# Altium PCB Main.PcbDoc (part 1 of 3)
Units mm, origin at the board's own origin, x right, y up, seen from the top; angles counter-clockwise.
Board outline 100 x 60 mm, 2 copper layers (Top Layer, Bottom Layer); 313 components, 187 nets, 848 pads, 489 vias.
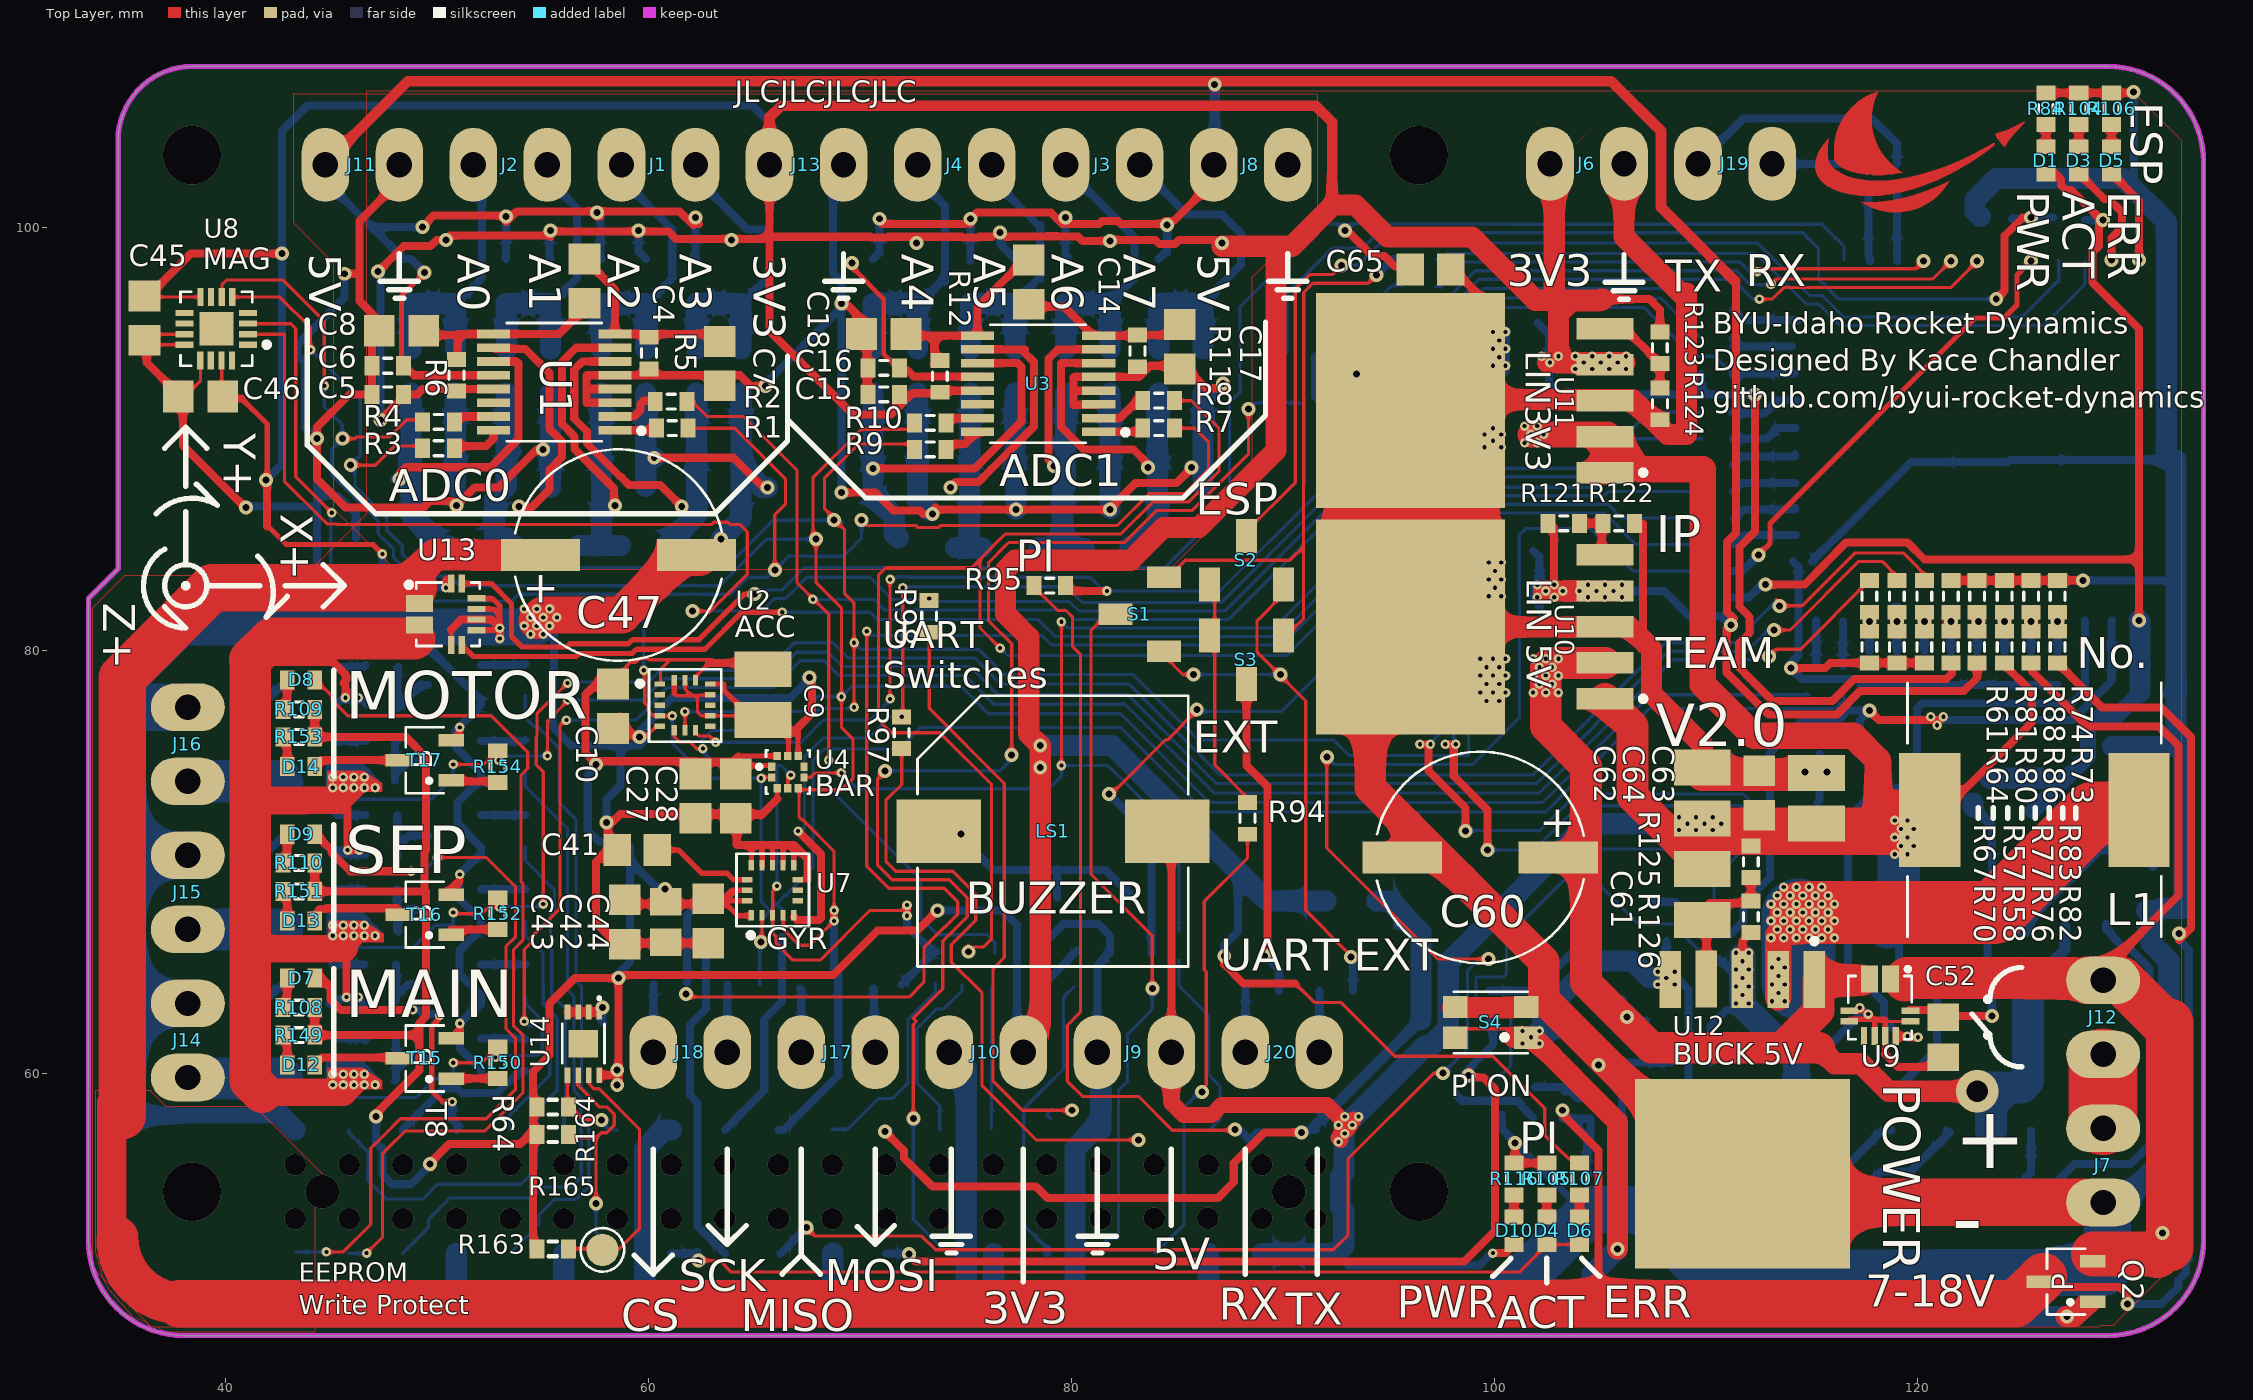
[diagram p0: Top Layer view]
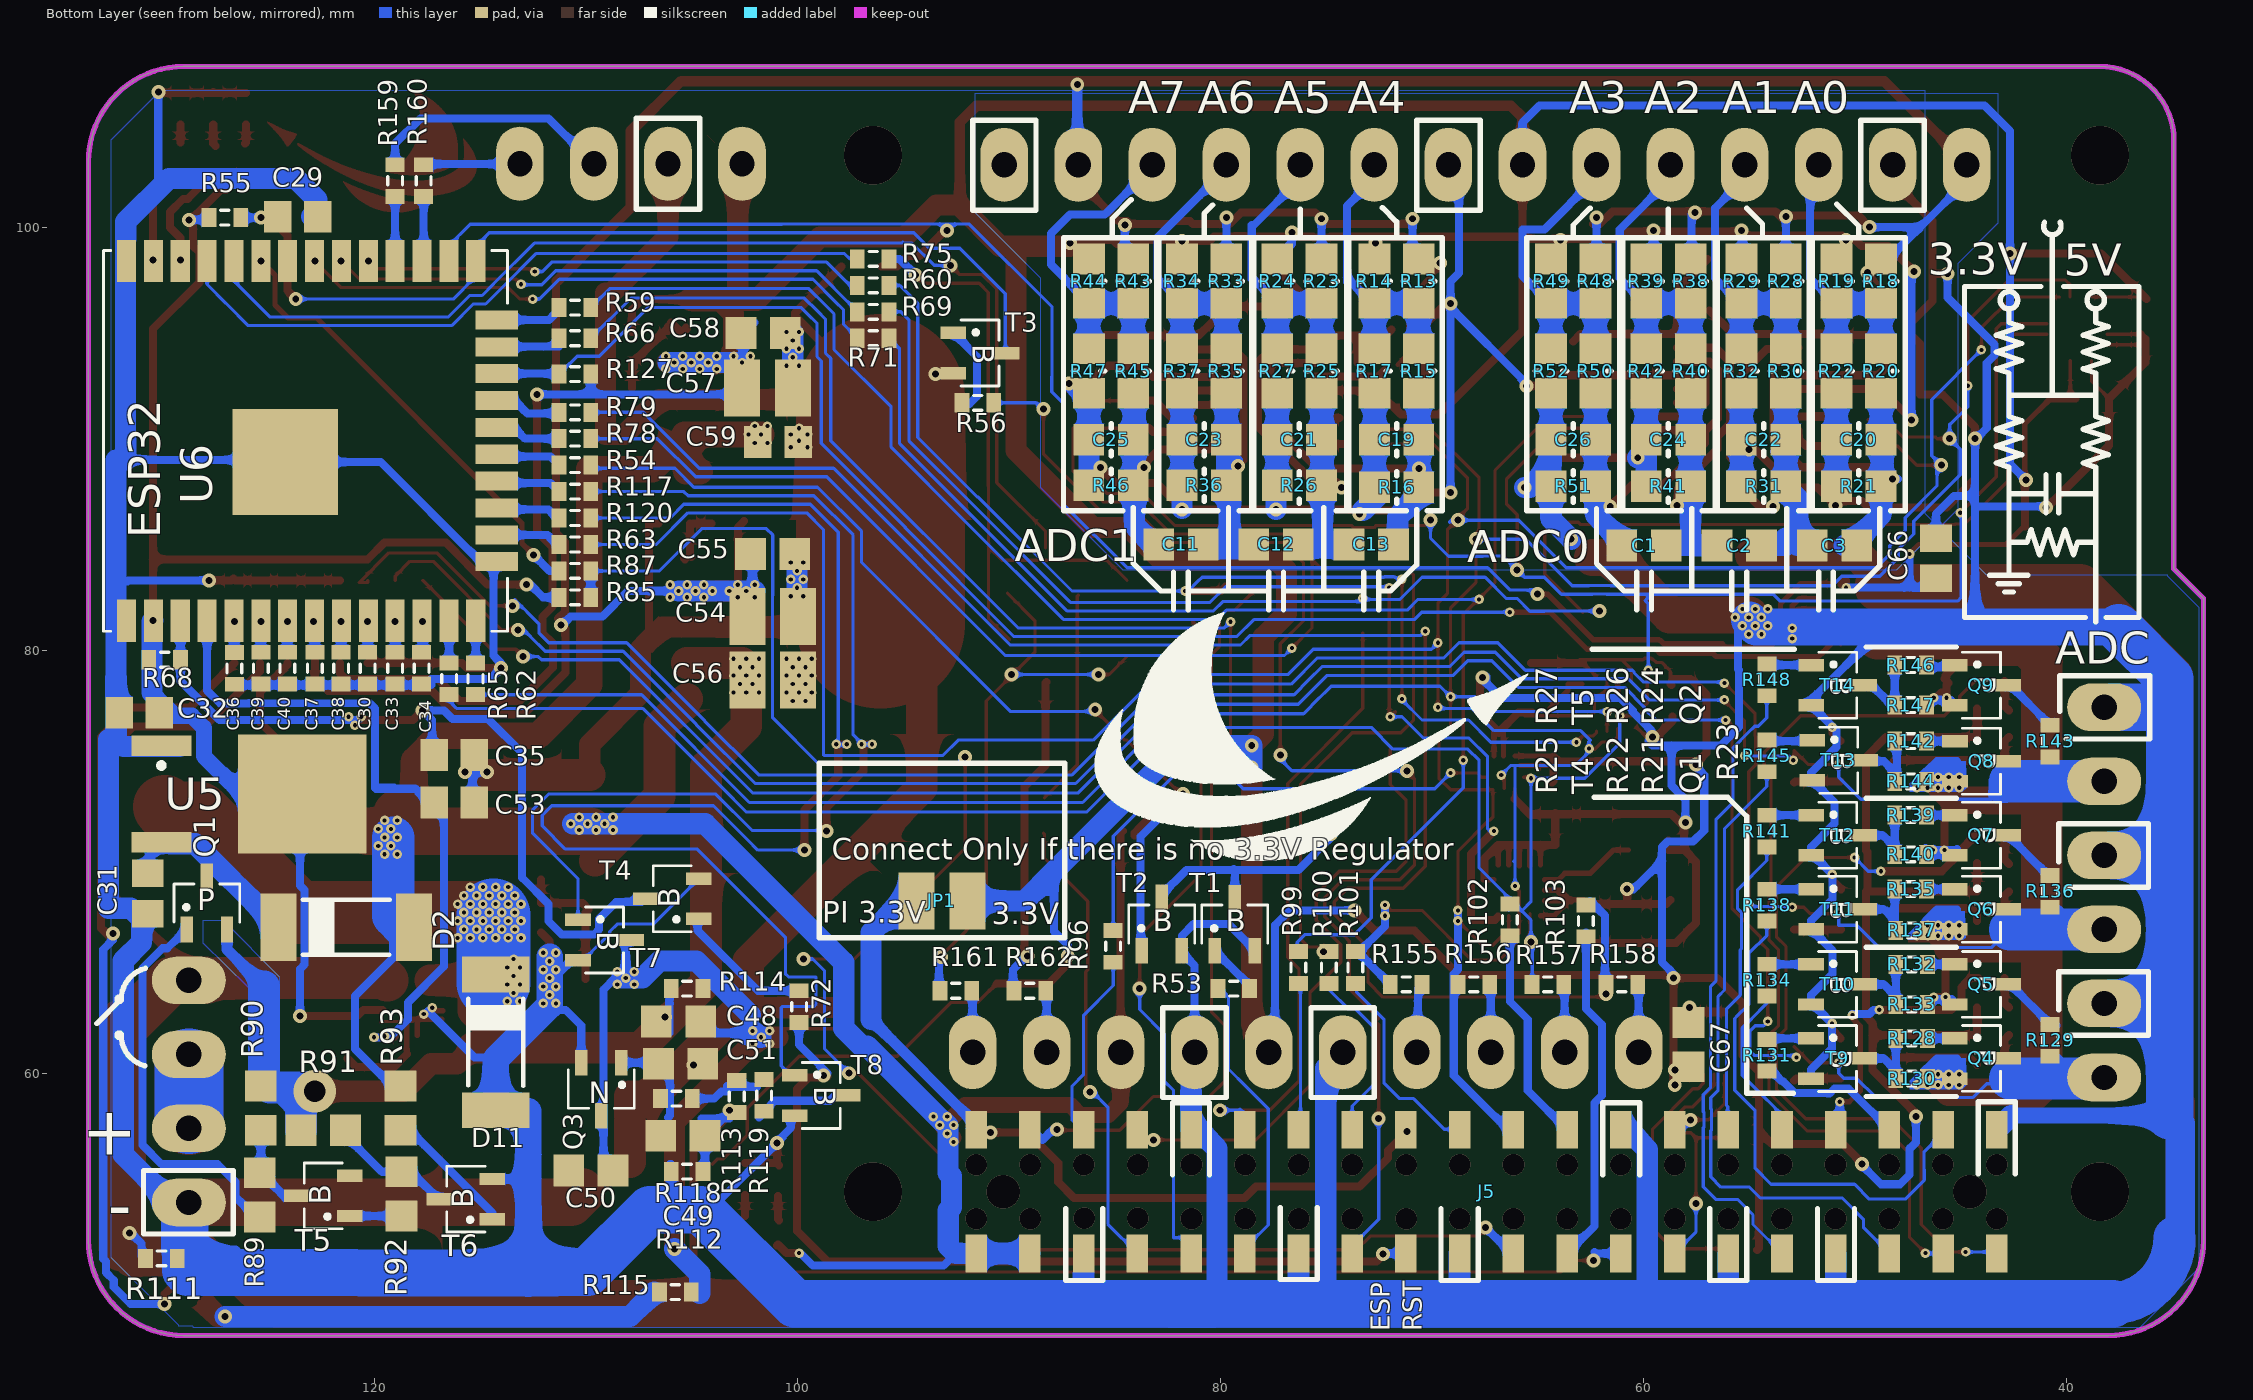
[diagram p1: Bottom Layer view, seen from below]

## Layer stack, top to bottom
Top Solder: solder mask 0.0102, Solder Resist, Dk 3.5
Top Layer: signal copper 0.0356
Dielectric 1: dielectric 0.32, FR-4, Dk 4.8
Bottom Layer: signal copper 0.0356
Bottom Solder: solder mask 0.0102, Solder Resist, Dk 3.5

## Board outline
33.5,52.1 33.5,82.45 34.9,83.85 34.9,104.1 cw(c38.4,104.1) 38.4,107.6 129,107.6 cw(c129,103.1) 133.5,103.1 133.5,52.1 cw(c129,52.1) 129,47.6 38,47.6 cw(c38,52.1)

## Design rules (kind name [scope] priority, off if disabled: settings)
BoardOutlineClearance [All] p1: gap=0.2 ignorepadtopadclearanceinfootprint=FALSE except(0.4: Arc-SplitBarrior Arc-SplitContinuation Track-SplitBarrior Track-SplitContinuation SMDPad-SplitBarrior SMDPad-SplitContinuation THPad-SplitBarrior THPad-SplitContinuation Via-SplitBarrior Via-SplitContinuation Fill-SplitBarrior Fill-SplitContinuation Poly-SplitBarrior Poly-SplitContinuation Region-SplitBarrior Region-SplitContinuation Text-SplitBarrior Text-SplitContinuation)
Clearance "Clearance Bottom Layer" [OnLayer('Bottom Layer')] p1: gap=0.203 ignorepadtopadclearanceinfootprint=TRUE except(0.254: Arc-Text Track-Text SMDPad-Text THPad-Text Via-Text Fill-Text Poly-Text Region-Text Text-Text)
Clearance "Clearance Top Layer" [OnLayer('Top Layer')] p2: gap=0.203 ignorepadtopadclearanceinfootprint=TRUE except(0.254: Arc-Text Track-Text SMDPad-Text THPad-Text Via-Text Fill-Text Poly-Text Region-Text Text-Text)
Clearance [All] p3: gap=0.2 ignorepadtopadclearanceinfootprint=FALSE except(0.089: Arc-Arc Arc-Track Arc-SMDPad Track-Track Track-SMDPad SMDPad-SMDPad; 0.127: Arc-Via Track-Via SMDPad-Via THPad-Via Via-Via; 0.254: Arc-Text Track-Text SMDPad-Text THPad-Text Via-Text Fill-Text Poly-Text Region-Text Text-Text)
ComponentClearance [HasFootprint('Screw Terminal') vs HasFootprint('Screw Terminal')] p1: gap=0 collisioncheckmode=3 verticalgap=0 showdistances=FALSE
ComponentClearance ComponentClearance_2 [InComponent('No Component') And OnLayer('Top Layer')] p2: gap=0.254 collisioncheckmode=3 verticalgap=0.254 showdistances=FALSE
ComponentClearance ComponentClearance_1 [All] p3: gap=0.254 collisioncheckmode=3 verticalgap=0.254 showdistances=FALSE
HoleSize [All] p1: absolutevalues=TRUE maxlimit=6.3 minlimit=0.2 maxpercent=80.000 minpercent=20.000
MinimumAnnularRing [All] p1: minimumring=0.076
MinimumSolderMaskSliver [All] p1: minsoldermaskwidth=0.1
PolygonConnect PolygonConnect_1 [All] p1: thpad.connectstyle=Relief thpad.reliefconductorwidth=0.508 thpad.reliefentries=4 thpad.polygonreliefangle="90 Angle" thpad.airgapwidth=0.254 smdpad.connectstyle=Relief smdpad.reliefconductorwidth=0.508 smdpad.reliefentries=4 smdpad.polygonreliefangle="90 Angle" smdpad.airgapwidth=0.254 via.connectstyle=Direct via.reliefconductorwidth=0.508 via.reliefentries=4 via.polygonreliefangle="90 Angle" via.airgapwidth=0.254
RoutingCorners [All] p1: cornerstyle=Round minsetback=2.54 maxsetback=2.54
RoutingVias [All] p1: holewidth=0.5 width=1 viastyle="Through Hole" minholewidth=0.2 minwidth=0.45 maxholewidth=1 maxwidth=2
SilkToSilkClearance [All] p1: silktosilkclearance=0.1
SilkToSolderMaskClearance [IsPad] p1: minsilkscreentomaskgap=0.1 clearancetoexposedcopper=TRUE
SolderMaskExpansion [IsVia] p1: expansion=0 soldermaskfromhole=TRUE
Width [All] p1: maxlimit=10 minlimit=0.089 preferedwidth=0.381
24 further rules are at their usual default settings.

## Classes and differential pairs
component class U_EEPROM: C67 R163 R164 R165 U14
component class Main_Squib: J14 Q4 Q5 R128 R129 R130 R131 R132 R133 R134 T9 T10
component class ESP: C29 C30 C31 C32 C33 C34 C35 C36 C37 C38 C39 C40 D1 R55 R56 R57 R58 R59 R60 R61 R62 R63 R64 R65 R66 R67 R68 R69 R70 R71 R72 R73 R74 R75 R76 R77 R78 R79 R80 R81 R82 R83 R84 R85 R86 R87 R88 T3 T4 U5 U6
component class Magnetometer: C45 C46 U8
component class "UART EXT": J20 J? R161 R162 R?
component class AIN21: C24 C? R38 R39 R40 R41 R42 R?
component class AIN12: C21 C? R23 R24 R25 R26 R27 R?
component class AIN11: C22 C? R28 R29 R30 R31 R32 R?
component class ACT_IndESP: D3 D? R104
component class AIN32: C25 C? R43 R44 R45 R46 R47 R?
component class "ADC 2": C11 C12 C13 C14 C15 C16 C17 C18 C? J3 J4 J? R7 R8 R9 R10 R11 R12 R? U3 U?
component class Gyroscope: C41 C42 C43 C44 C? D? L? R? U7 U?
component class AIN02: C19 C? R13 R14 R15 R16 R17 R?
component class AIN01: C20 C? R18 R19 R20 R21 R22 R?
component class ACT_IND: D6 D? R107
component class AIN22: C23 C? R33 R34 R35 R36 R37 R?
channel class "UART Output": "ESP UART Output" "U_UART EXT"
component class Sep_Squib: J16 J? Q8 Q9 Q? R142 R143 R144 R145 R146 R147 R148 R? T13 T14 T?
component class Main: J5 J? R94 R95 R96 R97 R98 R99 R100 R101 R102 R103 R?
component class PWR: C47 C48 C49 C50 C51 C52 C53 D10 J? JP1 Q2 Q3 Q? R111 R112 R113 R114 R115 R116 R117 R118 R119 R120 R? S4 T7 T8 T? U9
component class Voltage_Indicator1: D12 D? R149 R150 R? T15 T?
component class Motor_Squib: J15 J? Q6 Q7 Q? R135 R136 R137 R138 R139 R140 R141 R? T11 T12 T?
component class Voltage_Indicator2: D13 D? R151 R152 R? T16 T?
component class "U_ESP power": D2 D? Q1 Q? R89 R90 R91 R92 R93 R? T5 T6 T?
component class "ESP UART Output": J19 J? R159 R160 R?
component class "SPI Output": J17 J18 J? R155 R156 R157 R158 R?
channel class No_Transistor_LED_INV: Main_IND Motor_IND Sep_IND
component class "U_Power IO": J6 J7 J8 J9 J10 J11 J12 J13 J?
channel class Transistor_LED: "U_ESP power" Voltage_Indicator3
channel class No_Transistor_LED: ACT_Ind1 ERR_IndESP ERR_IndPi Main_Ind Motor_Ind Motor_IND Sep_Ind
component class Voltage_Indicator3: D7_Voltage_Indicator3 D14 D? R63_Voltage_Indicator3 R64_Voltage_Indicator3 R153 R154 R? T8_Voltage_Indicator3 T17 T?
component class ERR_IndPi: D3_ERR_Ind2 D4 D? R19_ERR_Ind2 R105
component class ERR_IndESP: D3_ERR_Ind1 D5 D? R19_ERR_Ind1 R106
component class Motor_IND: D3_ACT_Ind2 D8 D? R19_ACT_Ind2 R109
component class Sep_Ind: D9 D? R110
component class Main_Ind: D7 D? R108
component class UART: S1 S2 S3 S?
component class Buzzer: LS1 LS? R53 R54 R? T1 T2 T?
channel class "ADC RC Network": "ADC 1" "ADC 2" AIN31 ESP Gyroscope PWR Squib_Managment
component class AIN31: C26 C? R48 R49 R50 R51 R52 R? RGND2_AIN32
component class Squib_Managment: C65 C66 C? D? R127 R? RGND2_AIN21 T? U13 U?
component class "ADC 1": C1 C2 C3 C4 C5 C6 C7 C8 C? J1 J2 J? R1 R2 R3 R4 R5 R6 R? RGND2_AIN11 U1 U?
channel class Squibs: Motor_Squib Sep "U_ESP power"
channel class ADC: "ADC 2" U_ADC2
component class Regulators: C54 C55 C56 C57 C58 C59 C60 C61 C62 C63 C64 C? D11 L1 R121 R122 R123 R124 R125 R126 U10 U11 U12 U?
component class Barometer: C27 C28 C? U4 U?
component class Accelerometer: C9 C10 C? U2 U?

## Components (designator, comment, footprint, x,y, rotation, side; value= is the part's Value field where it differs from the comment)
C1 "Cap" "0603 TO 0805 SMD" 59.95,84.95 r0 bottom locked value="Value depends on use case" (schematic designator C3)
C2 "Cap" "0603 TO 0805 SMD" 55.45,84.95 r180 bottom locked value="Value depends on use case" (schematic designator C4)
C3 "Cap" "0603 TO 0805 SMD" 50.95,84.95 r0 bottom locked value="Value depends on use case" (schematic designator C5)
C4 "Cap" "0603 to 0805 SMD" 56.95,97.45 r270 top locked value=100nF (schematic designator C6)
C5 "Cap" "0603 FOOTPRINT" 47.65,92.1 r0 top value=100nF (schematic designator C7)
C6 "Cap" "0603 FOOTPRINT" 47.65,93.45 r0 top value=100nF (schematic designator C8)
C7 "Cap" "0603 to 0805 SMD" 63.35,93.55 r90 top locked value=10nF (schematic designator C9)
C8 "Cap" "0603 to 0805 SMD" 48.3,95.1 r0 top locked value=10nF (schematic designator C10)
C9 "Cap" "0603 to 1210 SMD" 65.4,77.9 r90 top locked value=10uF (schematic designator C1)
C10 "Cap" "0603 to 0805 SMD" 58.3,77.35 r90 top locked value=100nF (schematic designator C2)
C11 "Cap" "0603 TO 0805 SMD" 81.85,85 r0 bottom locked value="Value depends on use case" (schematic designator C3)
C12 "Cap" "0603 TO 0805 SMD" 77.35,85 r180 bottom locked value="Value depends on use case" (schematic designator C4)
C13 "Cap" "0603 TO 0805 SMD" 72.85,85 r0 bottom locked value="Value depends on use case" (schematic designator C5)
C14 "Cap" "0603 to 0805 SMD" 77.95,97.4 r90 top value=100nF (schematic designator C6)
C15 "Cap" "0603 FOOTPRINT" 71.1,92.1 r0 top value=100nF (schematic designator C7)
C16 "Cap" "0603 FOOTPRINT" 71.1,93.35 r0 top value=100nF (schematic designator C8)
C17 "Cap" "0603 to 0805 SMD" 85.1,94.35 r90 top value=10nF (schematic designator C9)
C18 "Cap" "0603 to 0805 SMD" 71.1,94.95 r0 top value=10nF (schematic designator C10)
C19 "Cap" "0603 TO 0805 SMD" 71.65,89.95 r180 bottom locked value="Value depends on use case" (schematic designator C31)
C20 "Cap" "0603 TO 0805 SMD" 49.8,89.95 r180 bottom locked value="Value depends on use case" (schematic designator C31)
C21 "Cap" "0603 TO 0805 SMD" 76.25,89.95 r180 bottom locked value="Value depends on use case" (schematic designator C31)
C22 "Cap" "0603 TO 0805 SMD" 54.3,89.95 r180 bottom locked value="Value depends on use case" (schematic designator C31)
C23 "Cap" "0603 TO 0805 SMD" 80.75,89.95 r180 bottom locked value="Value depends on use case" (schematic designator C31)
C24 "Cap" "0603 TO 0805 SMD" 58.8,89.95 r180 bottom locked value="Value depends on use case" (schematic designator C31)
C25 "Cap" "0603 TO 0805 SMD" 85.15,89.95 r180 bottom locked value="Value depends on use case" (schematic designator C31)
C26 "Cap" "0603 TO 0805 SMD" 63.3,89.95 r180 bottom locked value="Value depends on use case" (schematic designator C31)
C27 "Cap" "0603 to 0805 SMD" 62.2,73.1 r90 top locked value=100nF (schematic designator C11)
C28 "Cap" "0603 to 0805 SMD" 64.1,73.1 r90 top locked value=100nF (schematic designator C12)
C29 "Cap" "0805 Footprint" 123.6,100.5 r0 bottom locked value=100nF (schematic designator C19)
C30 "Cap" "0603 FOOTPRINT" 120.3,79.15 r90 bottom locked value=100nF (schematic designator C20)
C31 "Cap" "0805 Footprint" 130.7,68.5 r90 bottom locked value=10uF (schematic designator C21)
C32 "Cap" "0805 Footprint" 131.1,77.05 r180 bottom locked value=10uF (schematic designator C22)
C33 "Cap" "0603 FOOTPRINT" 119,79.15 r90 bottom locked value=100nF (schematic designator C23)
C34 "Cap" "0603 FOOTPRINT" 117.75,79.15 r90 bottom locked value=100nF (schematic designator C24)
C35 "Cap" "0805 Footprint" 116.2,75.05 r0 bottom locked value=100nF (schematic designator C25)
C36 "Cap" "0603 FOOTPRINT" 126.6,79.14 r90 bottom locked value=100nF (schematic designator C26)
C37 "Cap" "0603 FOOTPRINT" 122.8,79.15 r90 bottom locked value=100nF (schematic designator C27)
C38 "Cap" "0603 FOOTPRINT" 121.55,79.15 r90 bottom locked value=100nF (schematic designator C28)
C39 "Cap" "0603 FOOTPRINT" 125.35,79.15 r90 bottom locked value=100nF (schematic designator C29)
C40 "Cap" "0603 FOOTPRINT" 124.1,79.15 r90 bottom locked value=100nF (schematic designator C30)
C41 "Cap" "0805 Footprint" 59.45,70.55 r180 top locked value=10uF (schematic designator C13)
C42 "Cap" "0805 Footprint" 60.8,67.15 r90 top locked value=10uF (schematic designator C14)
C43 "Cap" "0603 to 0805 SMD" 58.85,67.15 r90 top locked value=100nF (schematic designator C15)
C44 "Cap" "0603 to 0805 SMD" 62.8,67.2 r90 top locked value=100nF (schematic designator C16)
C45 "Cap" "0603 to 0805 SMD" 36.15,95.7 r90 top locked value=100nF (schematic designator C17)
C46 "Cap" "0603 to 0805 SMD" 38.8,92 r0 top locked value=100nF (schematic designator C18)
C47 "Cap" "ELECTROLYTIC CAP" 58.562,84.5 r180 top locked value=100pF (schematic designator C32)
C48 "Cap" "0603 TO 0805 SMD" 105.6,62.45 r0 bottom locked value=100nF (schematic designator C33)
C49 "Cap" "0603 TO 0805 SMD" 105.4,57.05 r180 bottom locked value=2.2uF (schematic designator C34)
C50 "Cap" "0603 TO 0805 SMD" 109.75,55.4 r180 bottom locked value=2.2uF (schematic designator C35)
C51 "Cap" "0603 TO 0805 SMD" 105.5,60.45 r0 bottom locked value=100nF (schematic designator C36)
C52 "Cap" "0805 Footprint" 121.2,61.7 r90 top locked value=100nF (schematic designator C37)
C53 "Cap" "0805 Footprint" 116.2,72.8 r0 bottom locked value=100nF (schematic designator C38)
C54 "Cap" "0603 to 1210 SMD" 101.15,81.6 r0 bottom locked value=22uF (schematic designator C41)
C55 "Cap" "0603 TO 0805 SMD" 101.15,84.55 r0 bottom locked value=1uF (schematic designator C42)
C56 "Cap" "0603 to 1210 SMD" 101.15,78.6 r0 bottom locked value=22uF (schematic designator C43)
C57 "Cap" "0603 to 1210 SMD" 101.4,92.4 r0 bottom locked value=22uF (schematic designator C44)
C58 "Cap" "0603 TO 0805 SMD" 101.6,95 r0 bottom locked value=1uF (schematic designator C45)
C59 "Cap" "0805 Footprint" 100.9,89.85 r0 bottom locked value=10uF (schematic designator C46)
C60 "Cap" "ELECTROLYTIC CAP" 99.3,70.2 r0 top locked value=820uF (schematic designator C47)
C61 "Cap" "0603 to 1210 SMD" 109.8,68.45 r90 top locked value="5.6 uF" (schematic designator C48)
C62 "Cap" "0603 to 1210 SMD" 109.8,73.25 r270 top locked value=100uF (schematic designator C49)
C63 "Cap" "0603 to 1210 SMD" 115.2,73 r270 top locked value=100uF (schematic designator C50)
C64 "Cap" "0603 to 0805 SMD" 112.5,73.25 r270 top locked value=1uF (schematic designator C51)
C65 "Cap" "0805 Footprint" 96.95,98 r180 top locked value=100nF (schematic designator C39)
C66 "Cap" "0805 Footprint" 46.15,84.35 r270 bottom locked value=100nF (schematic designator C40)
C67 "Cap" "0603 to 0805 SMD" 57.85,61.35 r270 bottom locked value=100nF (schematic designator C52)
D1 "LED_R" "0402 footprint" 126.05,103.15 r90 top locked (schematic designator D2)
D2 "Buck Diode" *DO-214AC 122.5,66.9 r180 bottom locked (schematic designator D5)
D3 "LED_R" "0402 footprint" 127.6,103.15 r90 top locked (schematic designator D1)
D4 "LED_R" "0402 footprint" 102.45,52.55 r90 top locked (schematic designator D1)
D5 "LED_R" "0402 footprint" 129.15,103.15 r90 top locked (schematic designator D1)
D6 "LED_R" "0402 footprint" 104,52.55 r270 top locked
D7 "LED_R" "0402 footprint" 43.55,64.5 r0 top locked (schematic designator D6)
D8 "LED_R" "0402 footprint" 43.55,78.6 r0 top locked (schematic designator D6)
D9 "LED_R" "0402 footprint" 43.55,71.3 r0 top locked (schematic designator D6)
D10 "LED_R" "0402 footprint" 100.9,52.55 r90 top locked (schematic designator D4)
D11 "Buck Diode" *DO-214AC 114.25,62.65 r270 bottom locked (schematic designator D7)
D12 "LED_B" "0402 footprint" 43.55,60.4 r0 top locked (schematic designator D3)
D13 "LED_B" "0402 footprint" 43.55,67.2 r0 top locked (schematic designator D3)
D14 "LED_B" "0402 footprint" 43.55,74.5 r0 top locked (schematic designator D3)
J1 "Screw Terminal" "SCREW TERMINAL" 62.2,102.95 r90 top locked
J2 "Screw Terminal" "SCREW TERMINAL" 55.2,102.95 r90 top locked
J3 "Screw Terminal" "SCREW TERMINAL" 83.2,102.95 r90 top locked (schematic designator J1)
J4 "Screw Terminal" "SCREW TERMINAL" 76.2,102.95 r90 top locked (schematic designator J2)
J5 "PiGPIOBreakout" "RPI THROUGH BOARD CONNECTOR" 38.4,54.4 r0 bottom locked (schematic designator J15)
J6 "Screw Terminal" "SCREW TERMINAL" 106.1,103 r90 top locked (schematic designator J7)
J7 "Screw Terminal" "SCREW TERMINAL" 128.75,53.89 r0 top locked (schematic designator J8)
J8 "Screw Terminal" "SCREW TERMINAL" 90.2,102.95 r90 top locked (schematic designator J9)
J9 "Screw Terminal" "SCREW TERMINAL" 81.2,60.99 r270 top locked (schematic designator J10)
J10 "Screw Terminal" "SCREW TERMINAL" 74.2,60.99 r270 top locked (schematic designator J11)
J11 "Screw Terminal" "SCREW TERMINAL" 48.2,102.95 r90 top locked (schematic designator J12)
J12 "Screw Terminal" "SCREW TERMINAL" 128.75,60.89 r0 top locked (schematic designator J13)
J13 "Screw Terminal" "SCREW TERMINAL" 69.2,102.95 r90 top locked (schematic designator J14)
J14 "Screw Terminal" "SCREW TERMINAL" 38.2,63.3 r180 top locked (schematic designator J3)
J15 "Screw Terminal" "SCREW TERMINAL" 38.2,70.3 r180 top locked (schematic designator J3)
J16 "Screw Terminal" "SCREW TERMINAL" 38.2,77.3 r180 top locked (schematic designator J3)
J17 "Screw Terminal" "SCREW TERMINAL" 67.2,61 r270 top locked (schematic designator J4)